# Allegro board 8880F5-0824_updates.brd (continued)
## Routing (per net, layer and track width the routed paths; a pad name or vN(x,y) marks a point on that pad's centre or on a via; arc(x,y) is an arc through that point) (continued)
; D103.B6 319.23,60.96 ; D103.B6 320.04,61.77 ; CSDPS229.B14 167.64,333.55 ; CSDPS229.B14 167.64,331.93 ; CSDPS229.B14 166.83,332.74 ; CSDPS229.B14 168.45,332.74 ; D103.B2 309.88,61.77 ; D103.B2 309.07,60.96 ; D103.B2 310.69,60.96 ; D103.B2 309.88,60.15 ; 320.04,70.41 D302.B6 ; D302.B6 320.75,71.12 ; D302.B6 320.04,71.83 ; D302.B6 319.33,71.12 ; D126.B9 33.02,79.55 ; D126.B9 33.02,77.93 ; D126.B9 33.83,78.74 ; D126.B9 32.21,78.74 ; D102.B3 312.42,79.55 ; D102.B3 312.42,77.93 ; D102.B3 313.23,78.74 ; D102.B3 311.61,78.74 ; CSDPS225.C11 248.92,331.01 ; CSDPS225.C11 248.92,329.39 ; CSDPS225.C11 248.11,330.2 ; CSDPS225.C11 249.73,330.2 ; D123.B9 254,59.23 ; D123.B9 253.19,58.42 ; D123.B9 254,57.61 ; D123.B9 254.81,58.42 ; 329.39,35.56 D104.A10 ; D104.A10 330.2,36.37 ; D104.A10 330.2,34.75 ; D104.A10 331.01,35.56 ; D131.A11 111.76,54.15 ; D131.A11 110.95,53.34 ; D131.A11 112.57,53.34 ; D131.A11 111.76,52.53 ; D112.B12 393.7,389.43 ; D112.B12 392.89,388.62 ; D112.B12 393.7,387.81 ; D112.B12 394.51,388.62 ; 393.7,326.85 D109.B12 ; D109.B12 394.51,327.66 ; D109.B12 392.89,327.66 ; D109.B12 393.7,328.47 ; 416.56,57.61 D107.B15 ; D107.B15 417.37,58.42 ; D107.B15 416.56,59.23 ; D107.B15 415.75,58.42 ; 340.36,55.07 D103.A14 ; D103.A14 340.36,56.69 ; D103.A14 341.17,55.88 ; D103.A14 339.55,55.88 ; D231.A5 190.5,376.73 ; D231.A5 189.69,375.92 ; D231.A5 191.31,375.92 ; D231.A5 190.5,375.11 ; 159.31,68.58 D318.B1 ; D318.B1 160.73,68.58 ; D318.B1 160.02,69.29 ; D318.B1 160.02,67.87 ; 259.08,83.11 D321.A11 ; D321.A11 258.37,83.82 ; D321.A11 259.79,83.82 ; D321.A11 259.08,84.53 ; D102.A15 343.71,73.66 ; D102.A15 342.09,73.66 ; D102.A15 342.9,72.85 ; D102.A15 342.9,74.47 ; D106.B10 404.67,81.28 ; D106.B10 403.86,80.47 ; D106.B10 403.05,81.28 ; D106.B10 403.86,82.09 ; SITE2.G4 331.33,241.81 ; SITE2.G4 331.33,240.85 ; SITE2.G4 331.81,241.33 ; SITE2.G4 330.85,241.33 ; 193.04,60.15 D119.B14 ; D119.B14 192.23,60.96 ; D119.B14 193.04,61.77 ; D119.B14 193.85,60.96 ; D106.B12 408.94,82.09 ; D106.B12 408.13,81.28 ; D106.B12 409.75,81.28 ; D106.B12 408.94,80.47 ; D103.B3 312.42,59.23 ; D103.B3 311.61,58.42 ; D103.B3 313.23,58.42 ; D103.B3 312.42,57.61 ; 418.39,66.04 D306.A16 ; D306.A16 419.1,65.33 ; D306.A16 419.1,66.75 ; D306.A16 419.81,66.04 ; SITE4.G5 332.81,181.33 ; SITE4.G5 331.85,181.33 ; SITE4.G5 332.33,181.81 ; SITE4.G5 332.33,180.85 ; D318.B12 188.67,71.12 ; D318.B12 187.25,71.12 ; D318.B12 187.96,70.41 ; D318.B12 187.96,71.83 ; 238.76,37.29 D124.B3 ; D124.B3 238.76,38.91 ; D124.B3 237.95,38.1 ; D124.B3 239.57,38.1 ; 410.67,375.92 D111.A5 ; D111.A5 411.48,375.11 ; D111.A5 411.48,376.73 ; D111.A5 412.29,375.92 ; D231.B9 181.15,370.84 ; D231.B9 180.34,370.03 ; D231.B9 180.34,371.65 ; D231.B9 179.53,370.84 ; D102.A5 318.31,73.66 ; D102.A5 317.5,74.47 ; D102.A5 317.5,72.85 ; D102.A5 316.69,73.66 ; 27.94,37.29 D128.B7 ; D128.B7 27.94,38.91 ; D128.B7 27.13,38.1 ; D128.B7 28.75,38.1 ; 194.77,78.74 D118.B15 ; D118.B15 195.58,79.55 ; D118.B15 196.39,78.74 ; D118.B15 195.58,77.93 ; D118.A5 170.99,73.66 ; D118.A5 169.37,73.66 ; D118.A5 170.18,72.85 ; D118.A5 170.18,74.47 ; D431.A15 165.1,386.89 ; D431.A15 165.91,386.08 ; D431.A15 164.29,386.08 ; D431.A15 165.1,385.27 ; D123.A4 242.11,55.88 ; D123.A4 241.3,56.69 ; D123.A4 240.49,55.88 ; D123.A4 241.3,55.07 ; D102.B16 346.25,81.28 ; D102.B16 345.44,80.47 ; D102.B16 344.63,81.28 ; 398.78,75.39 D106.A8 ; D106.A8 397.97,76.2 ; D106.A8 399.59,76.2 ; D106.A8 398.78,77.01 ; U1.4 97.04,206.48 ; U1.4 96.1,205.54 ; U1.4 97.04,204.6 ; U1.4 97.98,205.54 ; 256.54,331.93 CSDPS225.B8 ; CSDPS225.B8 256.54,333.55 ; CSDPS225.B8 255.73,332.74 ; CSDPS225.B8 257.35,332.74 ; 344.63,55.88 D103.A16 ; D103.A16 345.44,55.07 ; D103.A16 345.44,56.69 ; D103.A16 346.25,55.88 ; D116.B3 343.71,391.16 ; D116.B3 342.09,391.16 ; D116.B3 342.9,391.97 ; D116.B3 342.9,390.35 ; D130.B2 88.9,82.09 ; D130.B2 89.71,81.28 ; D130.B2 88.09,81.28 ; D130.B2 88.9,80.47 ; D132.B9 106.68,38.91 ; D132.B9 106.68,37.29 ; D132.B9 105.87,38.1 ; D132.B9 107.49,38.1 ; 195.58,329.39 CSDPS229.C3 ; CSDPS229.C3 196.39,330.2 ; CSDPS229.C3 194.77,330.2 ; CSDPS229.C3 195.58,331.01 ; D130.B5 96.52,79.55 ; D130.B5 95.71,78.74 ; D130.B5 96.52,77.93 ; D130.B5 97.33,78.74 ; D122.A9 254,74.47 ; D122.A9 253.19,73.66 ; D122.A9 254.81,73.66 ; D122.A9 254,72.85 ; 395.43,330.2 D109.B11 ; D109.B11 396.24,329.39 ; D109.B11 396.24,331.01 ; D109.B11 397.05,330.2 ; D122.A5 244.65,73.66 ; D122.A5 243.03,73.66 ; D122.A5 243.84,74.47 ; D122.A5 243.84,72.85 ; D116.B8 330.2,389.43 ; D116.B8 330.2,387.81 ; D116.B8 329.39,388.62 ; D116.B8 331.01,388.62 ; D113.A11 323.39,335.28 ; D113.A11 322.58,334.47 ; D113.A11 321.77,335.28 ; D113.A11 322.58,336.09 ; 116.03,78.74 D130.B13 ; D130.B13 116.84,79.55 ; D130.B13 116.84,77.93 ; D130.B13 117.65,78.74 ; 167.64,90.73 D317.B4 ; D317.B4 168.35,91.44 ; D317.B4 166.93,91.44 ; D317.B4 167.64,92.15 ; D132.A15 122.73,33.02 ; D132.A15 121.92,33.83 ; D132.A15 121.92,32.21 ; D132.A15 121.11,33.02 ; 42.37,93.98 D125.A13 ; D125.A13 43.99,93.98 ; D125.A13 43.18,94.79 ; D125.A13 43.18,93.17 ; D113.B11 322.58,331.01 ; D113.B11 322.58,329.39 ; D113.B11 321.77,330.2 ; D113.B11 323.39,330.2 ; 418.29,388.62 D112.B2 ; D112.B2 419.1,387.81 ; D112.B2 419.1,389.43 ; D112.B2 419.91,388.62 ; 43.18,77.93 D126.B13 ; D126.B13 43.99,78.74 ; D126.B13 43.18,79.55 ; D126.B13 42.37,78.74 ; 182.88,39.83 D120.B10 ; D120.B10 183.69,40.64 ; D120.B10 182.88,41.45 ; D120.B10 182.07,40.64 ; D322.B4 241.3,71.83 ; D322.B4 241.3,70.41 ; D322.B4 240.59,71.12 ; D322.B4 242.01,71.12 ; D131.A8 104.95,55.88 ; D131.A8 103.33,55.88 ; D131.A8 104.14,56.69 ; D131.A8 104.14,55.07 ; D318.A9 181.05,63.5 ; D318.A9 180.34,62.79 ; D318.A9 180.34,64.21 ; D318.A9 179.63,63.5 ; 245.67,71.12 D322.B6 ; D322.B6 246.38,71.83 ; D322.B6 246.38,70.41 ; D322.B6 247.09,71.12 ; D128.A14 45.72,36.37 ; D128.A14 45.72,34.75 ; D128.A14 46.53,35.56 ; D128.A14 44.91,35.56 ; 333.33,247.45 SITE2.G12 ; SITE2.G12 333.81,247.93 ; SITE2.G12 332.85,247.93 ; SITE2.G12 333.33,248.41 ; D305.A12 409.65,86.36 ; D305.A12 408.94,87.07 ; D305.A12 408.23,86.36 ; D305.A12 408.94,85.65 ; 24.59,81.28 D126.B6 ; D126.B6 26.21,81.28 ; D126.B6 25.4,82.09 ; D126.B6 25.4,80.47 ; D107.A5 391.97,53.34 ; D107.A5 391.16,52.53 ; D107.A5 391.16,54.15 ; D107.A5 390.35,53.34 ; D431.B15 165.91,381 ; D431.B15 165.1,381.81 ; D431.B15 164.29,381 ; D431.B15 165.1,380.19 ; D122.B15 269.24,79.55 ; D122.B15 270.05,78.74 ; D122.B15 269.24,77.93 ; D122.B15 268.43,78.74 ; 410.67,73.66 D106.A13 ; D106.A13 411.48,74.47 ; D106.A13 412.29,73.66 ; D106.A13 411.48,72.85 ; DPS8.C11 176.07,410.21 ; DPS8.C11 174.45,410.21 ; DPS8.C11 175.26,411.02 ; DPS8.C11 175.26,409.4 ; D106.B1 381,79.55 ; D106.B1 381,77.93 ; D106.B1 381.81,78.74 ; D106.B1 380.19,78.74 ; D127.B14 45.72,61.77 ; D127.B14 44.91,60.96 ; D127.B14 46.53,60.96 ; D127.B14 45.72,60.15 ; 197.31,373.38 D231.A2 ; D231.A2 198.12,374.19 ; D231.A2 198.12,372.57 ; D231.A2 198.93,373.38 ; D126.A8 30.48,77.01 ; D126.A8 30.48,75.39 ; D126.A8 31.29,76.2 ; D126.A8 29.67,76.2 ; D317.A8 178.51,86.36 ; D317.A8 177.8,87.07 ; D317.A8 177.8,85.65 ; D317.A8 177.09,86.36 ; D306.B8 398.78,71.83 ; D306.B8 398.78,70.41 ; D306.B8 398.07,71.12 ; D306.B8 399.49,71.12 ; 172.72,367.49 D231.B12 ; D231.B12 171.91,368.3 ; D231.B12 172.72,369.11 ; D231.B12 173.53,368.3 ; 335.28,352.25 D114.A6 ; D114.A6 335.28,353.87 ; D114.A6 336.09,353.06 ; D114.A6 334.47,353.06 ; D322.A16 271.78,66.75 ; D322.A16 272.49,66.04 ; D322.A16 271.78,65.33 ; D322.A16 271.07,66.04 ; D111.A9 401.32,376.73 ; D111.A9 401.32,375.11 ; D111.A9 400.51,375.92 ; D111.A9 402.13,375.92 ; D126.A3 17.78,74.47 ; D126.A3 18.59,73.66 ; D126.A3 17.78,72.85 ; D126.A3 16.97,73.66 ; 381,88.19 D305.B1 ; D305.B1 381,89.61 ; D305.B1 381.71,88.9 ; D305.B1 380.29,88.9 ; 388.62,331.93 D109.A14 ; D109.A14 387.81,332.74 ; D109.A14 389.43,332.74 ; D109.A14 388.62,333.55 ; 39.83,60.96 D127.B12 ; D127.B12 40.64,61.77 ; D127.B12 41.45,60.96 ; D127.B12 40.64,60.15 ; 103.33,96.52 D129.A8 ; D129.A8 104.95,96.52 ; D129.A8 104.14,95.71 ; D129.A8 104.14,97.33 ; 20.32,75.39 D126.A4 ; D126.A4 19.51,76.2 ; D126.A4 21.13,76.2 ; D126.A4 20.32,77.01 ; 172.01,91.44 D317.B6 ; D317.B6 173.43,91.44 ; D317.B6 172.72,90.73 ; D317.B6 172.72,92.15 ; DPS3.A05 244.65,13.97 ; DPS3.A05 243.84,13.16 ; DPS3.A05 243.84,14.78 ; DPS3.A05 243.03,13.97 ; D306.B11 406.4,69.29 ; D306.B11 407.11,68.58 ; D306.B11 405.69,68.58 ; D306.B11 406.4,67.87 ; D109.A12 394.51,332.74 ; D109.A12 392.89,332.74 ; D109.A12 393.7,331.93 ; D109.A12 393.7,333.55 ; 160.02,57.61 D119.B1 ; D119.B1 159.21,58.42 ; D119.B1 160.02,59.23 ; D119.B1 160.83,58.42 ; D130.A13 117.65,73.66 ; D130.A13 116.03,73.66 ; D130.A13 116.84,74.47 ; D130.A13 116.84,72.85 ; D321.B13 264.16,89.61 ; D321.B13 264.87,88.9 ; D321.B13 264.16,88.19 ; D321.B13 263.45,88.9 ; 248.92,57.61 D123.B7 ; D123.B7 249.73,58.42 ; D123.B7 248.11,58.42 ; D123.B7 248.92,59.23 ; 390.45,68.58 D306.B5 ; D306.B5 391.87,68.58 ; D306.B5 391.16,67.87 ; D306.B5 391.16,69.29 ; 347.98,409.4 DPS2.C01 ; DPS2.C01 347.17,410.21 ; DPS2.C01 348.79,410.21 ; DPS2.C01 347.98,411.02 ; D128.B11 38.91,38.1 ; D128.B11 38.1,38.91 ; D128.B11 38.1,37.29 ; D128.B11 37.29,38.1 ; 406.4,13.16 DPS1.A11 ; DPS1.A11 407.21,13.97 ; DPS1.A11 406.4,14.78 ; DPS1.A11 405.59,13.97 ; 96.52,37.29 D132.B5 ; D132.B5 96.52,38.91 ; D132.B5 95.71,38.1 ; D132.B5 97.33,38.1 ; D132.A7 101.6,33.83 ; D132.A7 102.41,33.02 ; D132.A7 100.79,33.02 ; D132.A7 101.6,32.21 ; D118.B11 185.42,79.55 ; D118.B11 184.61,78.74 ; D118.B11 186.23,78.74 ; D118.B11 185.42,77.93 ; D125.B14 45.72,102.41 ; D125.B14 45.72,100.79 ; D125.B14 44.91,101.6 ; D125.B14 46.53,101.6 ; 35.56,39.83 D128.B10 ; D128.B10 34.75,40.64 ; D128.B10 35.56,41.45 ; D128.B10 36.37,40.64 ; 118.57,96.52 D129.A14 ; D129.A14 120.19,96.52 ; D129.A14 119.38,97.33 ; D129.A14 119.38,95.71 ; 414.02,331.93 D109.A4 ; D109.A4 414.02,333.55 ; D109.A4 414.83,332.74 ; D109.A4 413.21,332.74 ; D306.A7 396.24,64.21 ; D306.A7 396.95,63.5 ; D306.A7 395.53,63.5 ; 160.02,83.11 D317.A1 ; D317.A1 159.31,83.82 ; D317.A1 160.02,84.53 ; D317.A1 160.73,83.82 ; 177.8,39.83 D120.B8 ; D120.B8 176.99,40.64 ; D120.B8 178.61,40.64 ; D120.B8 177.8,41.45 ; D431.B3 196.39,381 ; D431.B3 194.77,381 ; D431.B3 195.58,380.19 ; D431.B3 195.58,381.81 ; 49.99,81.28 D126.B16 ; D126.B16 51.61,81.28 ; D126.B16 50.8,82.09 ; D126.B16 50.8,80.47 ; D116.B13 318.31,391.16 ; D116.B13 316.69,391.16 ; D116.B13 317.5,391.97 ; D116.B13 317.5,390.35 ; 12.7,77.93 D126.B1 ; D126.B1 12.7,79.55 ; D126.B1 13.51,78.74 ; D126.B1 11.89,78.74 ; 241.3,65.33 D322.A4 ; D322.A4 242.01,66.04 ; D322.A4 240.59,66.04 ; D322.A4 241.3,66.75 ; CSDPS425.B10 252.27,342.9 ; CSDPS425.B10 251.46,343.71 ; CSDPS425.B10 251.46,342.09 ; CSDPS425.B10 250.65,342.9 ; D301.A10 330.2,87.07 ; D301.A10 330.2,85.65 ; D301.A10 329.49,86.36 ; D301.A10 330.91,86.36 ; CSDPS229.B4 193.04,333.55 ; CSDPS229.B4 193.04,331.93 ; CSDPS229.B4 192.23,332.74 ; CSDPS229.B4 193.85,332.74 ; 403.86,387.81 D112.B8 ; D112.B8 404.67,388.62 ; D112.B8 403.86,389.43 ; D112.B8 403.05,388.62 ; 27.13,33.02 D128.A7 ; D128.A7 28.75,33.02 ; D128.A7 27.94,32.21 ; D128.A7 27.94,33.83 ; 98.25,81.28 D130.B6 ; D130.B6 99.06,82.09 ; D130.B6 99.87,81.28 ; D130.B6 99.06,80.47 ; 245.57,60.96 D123.B6 ; D123.B6 246.38,61.77 ; D123.B6 247.19,60.96 ; D123.B6 246.38,60.15 ; 174.45,53.34 D119.A7 ; D119.A7 175.26,54.15 ; D119.A7 175.26,52.53 ; D119.A7 176.07,53.34 ; D318.A10 183.59,66.04 ; D318.A10 182.17,66.04 ; D318.A10 182.88,66.75 ; D318.A10 182.88,65.33 ; D113.A14 314.96,333.55 ; D113.A14 314.96,331.93 ; D113.A14 314.15,332.74 ; D113.A14 315.77,332.74 ; 327.66,72.85 D102.A9 ; D102.A9 326.85,73.66 ; D102.A9 328.47,73.66 ; D102.A9 327.66,74.47 ; 337.82,334.47 D113.A5 ; D113.A5 337.01,335.28 ; D113.A5 338.63,335.28 ; D113.A5 337.82,336.09 ; 311.61,350.52 D114.B15 ; D114.B15 312.42,349.71 ; D114.B15 313.23,350.52 ; D114.B15 312.42,351.33 ; D112.B5 412.29,391.16 ; D112.B5 410.67,391.16 ; D112.B5 411.48,390.35 ; D112.B5 411.48,391.97 ; D110.A14 388.62,353.87 ; D110.A14 387.81,353.06 ; D110.A14 389.43,353.06 ; D110.A14 388.62,352.25 ; 265.99,91.44 D321.B14 ; D321.B14 267.41,91.44 ; D321.B14 266.7,92.15 ; D321.B14 266.7,90.73 ; 166.83,40.64 D120.B4 ; D120.B4 167.64,41.45 ; D120.B4 168.45,40.64 ; D120.B4 167.64,39.83 ; SITE2.G9 330.33,248.41 ; SITE2.G9 330.81,247.93 ; SITE2.G9 329.85,247.93 ; SITE2.G9 330.33,247.45 ; D103.A15 343.71,53.34 ; D103.A15 342.09,53.34 ; D103.A15 342.9,52.53 ; D103.A15 342.9,54.15 ; D127.A11 38.1,54.15 ; D127.A11 38.91,53.34 ; D127.A11 38.1,52.53 ; D127.A11 37.29,53.34 ; D110.B3 416.56,351.33 ; D110.B3 417.37,350.52 ; D110.B3 416.56,349.71 ; D110.B3 415.75,350.52 ; 249.85,187.93 SITE3.G9 ; SITE3.G9 250.81,187.93 ; SITE3.G9 250.33,187.45 ; SITE3.G9 250.33,188.41 ; 171.91,373.38 D231.A12 ; D231.A12 173.53,373.38 ; D231.A12 172.72,374.19 ; D231.A12 172.72,372.57 ; 240.49,60.96 D123.B4 ; D123.B4 241.3,60.15 ; D123.B4 242.11,60.96 ; D123.B4 241.3,61.77 ; D431.A8 182.88,384.35 ; D431.A8 182.88,382.73 ; D431.A8 182.07,383.54 ; D431.A8 183.69,383.54 ; D111.A11 396.24,376.73 ; D111.A11 396.24,375.11 ; D111.A11 395.43,375.92 ; D111.A11 397.05,375.92 ; DPS8.A01 200.66,416.1 ; DPS8.A01 201.47,415.29 ; DPS8.A01 199.85,415.29 ; DPS8.A01 200.66,414.48 ; D124.B4 242.11,40.64 ; D124.B4 241.3,41.45 ; D124.B4 240.49,40.64 ; D124.B4 241.3,39.83 ; D132.A4 93.98,36.37 ; D132.A4 93.98,34.75 ; D132.A4 94.79,35.56 ; D132.A4 93.17,35.56 ; D231.A16 162.56,374.19 ; D231.A16 163.37,373.38 ; D231.A16 162.56,372.57 ; D231.A16 161.75,373.38 ; 481.55,171.51 UNK4U2.4 ; UNK4U2.4 483.43,171.51 ; UNK4U2.4 482.49,172.45 ; UNK4U2.4 482.49,170.56 ; D128.B9 33.02,38.91 ; D128.B9 32.21,38.1 ; D128.B9 33.02,37.29 ; D128.B9 33.83,38.1 ; 320.04,75.39 D102.A6 ; D102.A6 319.23,76.2 ; D102.A6 320.04,77.01 ; D102.A6 320.85,76.2 ; 189.69,58.42 D119.B13 ; D119.B13 190.5,57.61 ; D119.B13 191.31,58.42 ; D119.B13 190.5,59.23 ; D122.A2 236.22,77.01 ; D122.A2 237.03,76.2 ; D122.A2 235.41,76.2 ; D122.A2 236.22,75.39 ; 332.74,395.43 D116.A7 ; D116.A7 332.74,397.05 ; D116.A7 331.93,396.24 ; D116.A7 333.55,396.24 ; D116.A5 337.82,397.05 ; D116.A5 337.82,395.43 ; D116.A5 338.63,396.24 ; D116.A5 337.01,396.24 ; D107.B11 407.21,58.42 ; D107.B11 406.4,57.61 ; D107.B11 406.4,59.23 ; D107.B11 405.59,58.42 ; D322.A9 254.71,63.5 ; D322.A9 253.29,63.5 ; D322.A9 254,62.79 ; D322.A9 254,64.21 ; 408.94,75.39 D106.A12 ; D106.A12 409.75,76.2 ; D106.A12 408.13,76.2 ; D106.A12 408.94,77.01 ; 340.36,352.25 D114.A4 ; D114.A4 339.55,353.06 ; D114.A4 340.36,353.87 ; D114.A4 341.17,353.06 ; CSDPS429.C11 175.26,341.17 ; CSDPS429.C11 174.45,340.36 ; CSDPS429.C11 176.07,340.36 ; CSDPS429.C11 175.26,339.55 ; D106.B3 386.08,79.55 ; D106.B3 386.89,78.74 ; D106.B3 385.27,78.74 ; D106.B3 386.08,77.93 ; 270.97,35.56 D124.A16 ; D124.A16 271.78,36.37 ; D124.A16 271.78,34.75 ; D124.A16 272.59,35.56 ; 193.04,367.49 D231.B4 ; D231.B4 193.04,369.11 ; D231.B4 192.23,368.3 ; D231.B4 193.85,368.3 ; 85.55,58.42 D131.B1 ; D131.B1 87.17,58.42 ; D131.B1 86.36,57.61 ; D131.B1 86.36,59.23 ; 337.82,414.48 DPS2.A05 ; DPS2.A05 337.01,415.29 ; DPS2.A05 338.63,415.29 ; DPS2.A05 337.82,416.1 ; D318.A12 188.67,66.04 ; D318.A12 187.25,66.04 ; D318.A12 187.96,66.75 ; D318.A12 187.96,65.33 ; 176.99,332.74 CSDPS229.B10 ; CSDPS229.B10 178.61,332.74 ; CSDPS229.B10 177.8,331.93 ; CSDPS229.B10 177.8,333.55 ; 322.58,52.53 D103.A7 ; D103.A7 321.77,53.34 ; D103.A7 323.39,53.34 ; D103.A7 322.58,54.15 ; 88.09,60.96 D131.B2 ; D131.B2 89.71,60.96 ; D131.B2 88.9,61.77 ; D131.B2 88.9,60.15 ; D305.B8 398.78,92.15 ; D305.B8 398.78,90.73 ; D305.B8 399.49,91.44 ; D305.B8 398.07,91.44 ; 319.23,347.98 D114.B12 ; D114.B12 320.85,347.98 ; D114.B12 320.04,347.17 ; D114.B12 320.04,348.79 ; 380.19,53.34 D107.A1 ; D107.A1 381,52.53 ; D107.A1 381.81,53.34 ; D107.A1 381,54.15 ; 197.31,383.54 D431.A2 ; D431.A2 198.12,384.35 ; D431.A2 198.93,383.54 ; D431.A2 198.12,382.73 ; 408.94,367.49 D111.B6 ; D111.B6 408.94,369.11 ; D111.B6 409.75,368.3 ; D111.B6 408.13,368.3 ; 421.64,395.43 D112.A1 ; D112.A1 421.64,397.05 ; D112.A1 420.83,396.24 ; D112.A1 422.45,396.24 ; 390.45,63.5 D306.A5 ; D306.A5 391.87,63.5 ; D306.A5 391.16,64.21 ; D301.A4 314.96,87.07 ; D301.A4 314.96,85.65 ; D301.A4 314.25,86.36 ; D301.A4 315.67,86.36 ; D302.A5 317.5,64.21 ; D302.A5 316.79,63.5 ; D302.A5 317.5,62.79 ; D302.A5 318.21,63.5 ; D321.B15 269.24,89.61 ; D321.B15 269.95,88.9 ; D321.B15 268.53,88.9 ; D321.B15 269.24,88.19 ; CSDPS425.B8 256.54,343.71 ; CSDPS425.B8 257.35,342.9 ; CSDPS425.B8 256.54,342.09 ; CSDPS425.B8 255.73,342.9 ; D116.A6 336.09,393.7 ; D116.A6 335.28,392.89 ; D116.A6 335.28,394.51 ; D116.A6 334.47,393.7 ; D431.A6 187.96,384.35 ; D431.A6 188.77,383.54 ; D431.A6 187.15,383.54 ; D431.A6 187.96,382.73 ; 400.61,63.5 D306.A9 ; D306.A9 401.32,64.21 ; D306.A9 402.03,63.5 ; D306.A9 401.32,62.79 ; 258.27,73.66 D122.A11 ; D122.A11 259.08,72.85 ; D122.A11 259.08,74.47 ; D122.A11 259.89,73.66 ; D116.A3 342.9,397.05 ; D116.A3 343.71,396.24 ; D116.A3 342.09,396.24 ; D116.A3 342.9,395.43 ; D321.A5 243.84,84.53 ; D321.A5 243.13,83.82 ; D321.A5 244.55,83.82 ; D321.A5 243.84,83.11 ; D322.B2 236.22,71.83 ; D322.B2 235.51,71.12 ; D322.B2 236.93,71.12 ; D322.B2 236.22,70.41 ; SITE2.G15 331.91,242.83 ; SITE2.G15 331.43,242.35 ; SITE2.G15 330.95,242.83 ; SITE2.G15 331.43,243.31 ; D322.A6 246.38,66.75 ; D322.A6 245.67,66.04 ; D322.A6 246.38,65.33 ; D322.A6 247.09,66.04 ; D122.A13 264.97,73.66 ; D122.A13 263.35,73.66 ; D122.A13 264.16,74.47 ; D122.A13 264.16,72.85 ; 22.86,77.93 D126.B5 ; D126.B5 22.05,78.74 ; D126.B5 22.86,79.55 ; D126.B5 23.67,78.74 ; D115.A14 314.96,374.19 ; D115.A14 315.77,373.38 ; D115.A14 314.15,373.38 ; D115.A14 314.96,372.57 ; D317.A15 196.29,83.82 ; D317.A15 195.58,84.53 ; D317.A15 195.58,83.11 ; D317.A15 194.87,83.82 ; 11.89,73.66 D126.A1 ; D126.A1 12.7,74.47 ; D126.A1 12.7,72.85 ; D126.A1 13.51,73.66 ; 260.81,76.2 D122.A12 ; D122.A12 262.43,76.2 ; D122.A12 261.62,75.39 ; D122.A12 261.62,77.01 ; 258.27,33.02 D124.A11 ; D124.A11 259.08,32.21 ; D124.A11 259.89,33.02 ; D124.A11 259.08,33.83 ; D302.A4 315.67,66.04 ; D302.A4 314.25,66.04 ; D302.A4 314.96,65.33 ; D302.A4 314.96,66.75 ; D125.B16 50.8,102.41 ; D125.B16 50.8,100.79 ; D125.B16 51.61,101.6 ; D125.B16 49.99,101.6 ; D132.B10 110.03,40.64 ; D132.B10 109.22,39.83 ; D132.B10 109.22,41.45 ; D132.B10 108.41,40.64 ; 388.62,90.73 D305.B4 ; D305.B4 389.33,91.44 ; D305.B4 388.62,92.15 ; D305.B4 387.91,91.44 ; D107.B14 414.02,61.77 ; D107.B14 414.83,60.96 ; D107.B14 414.02,60.15 ; D107.B14 413.21,60.96 ; 258.27,78.74 D122.B11 ; D122.B11 259.89,78.74 ; D122.B11 259.08,77.93 ; D122.B11 259.08,79.55 ; 311.71,68.58 D302.B3 ; D302.B3 312.42,69.29 ; D302.B3 312.42,67.87 ; D302.B3 313.13,68.58 ; D118.A16 198.93,76.2 ; D118.A16 198.12,77.01 ; D118.A16 197.31,76.2 ; D118.A16 198.12,75.39 ; 109.22,55.07 D131.A10 ; D131.A10 110.03,55.88 ; D131.A10 109.22,56.69 ; D131.A10 108.41,55.88 ; 108.41,76.2 D130.A10 ; D130.A10 109.22,77.01 ; D130.A10 109.22,75.39 ; D130.A10 110.03,76.2 ; 256.54,65.33 D322.A10 ; D322.A10 257.25,66.04 ; D322.A10 255.83,66.04 ; D322.A10 256.54,66.75 ; D128.A6 26.21,35.56 ; D128.A6 25.4,34.75 ; D128.A6 24.59,35.56 ; D128.A6 25.4,36.37 ; D104.B6 320.04,41.45 ; D104.B6 319.23,40.64 ; D104.B6 320.85,40.64 ; D104.B6 320.04,39.83 ; D127.B4 20.32,61.77 ; D127.B4 21.13,60.96 ; D127.B4 20.32,60.15 ; D127.B4 19.51,60.96 ; D113.A2 346.25,332.74 ; D113.A2 345.44,331.93 ; D113.A2 344.63,332.74 ; D113.A2 345.44,333.55 ; 35.56,100.79 D125.B10 ; D125.B10 34.75,101.6 ; D125.B10 35.56,102.41 ; D125.B10 36.37,101.6 ; CSDPS229.B12 172.72,333.55 ; CSDPS229.B12 172.72,331.93 ; CSDPS229.B12 173.53,332.74 ; CSDPS229.B12 171.91,332.74 ; D110.B4 414.83,347.98 ; D110.B4 414.02,348.79 ; D110.B4 413.21,347.98 ; D110.B4 414.02,347.17 ; SITE1.G16 253.11,242.83 ; SITE1.G16 252.15,242.83 ; SITE1.G16 252.63,242.35 ; SITE1.G16 252.63,243.31 ; 325.12,80.47 D102.B8 ; D102.B8 325.12,82.09 ; D102.B8 325.93,81.28 ; D102.B8 324.31,81.28 ; D126.A5 22.86,74.47 ; D126.A5 22.05,73.66 ; D126.A5 22.86,72.85 ; D126.A5 23.67,73.66 ; D127.A9 33.83,53.34 ; D127.A9 33.02,54.15 ; D127.A9 33.02,52.53 ; D127.A9 32.21,53.34 ; 382.73,393.7 D112.A16 ; D112.A16 383.54,394.51 ; D112.A16 383.54,392.89 ; D112.A16 384.35,393.7 ; D113.B10 325.93,327.66 ; D113.B10 325.12,328.47 ; D113.B10 324.31,327.66 ; D113.B10 325.12,326.85 ; D302.B13 337.82,69.29 ; D302.B13 338.53,68.58 ; D302.B13 337.11,68.58 ; D302.B13 337.82,67.87 ; 171.91,60.96 D119.B6 ; D119.B6 172.72,61.77 ; D119.B6 173.53,60.96 ; D119.B6 172.72,60.15 ; D114.A5 338.63,355.6 ; D114.A5 337.82,354.79 ; D114.A5 337.01,355.6 ; D114.A5 337.82,356.41 ; SITE2.G14 330.71,242.83 ; SITE2.G14 330.23,243.31 ; SITE2.G14 330.23,242.35 ; SITE2.G14 329.75,242.83 ; 274.32,339.55 CSDPS425.C1 ; CSDPS425.C1 274.32,341.17 ; CSDPS425.C1 273.51,340.36 ; CSDPS425.C1 275.13,340.36 ; 237.95,78.74 D122.B3 ; D122.B3 238.76,77.93 ; D122.B3 239.57,78.74 ; D122.B3 238.76,79.55 ; 199.85,386.08 D431.A1 ; D431.A1 200.66,385.27 ; D431.A1 201.47,386.08 ; D431.A1 200.66,386.89 ; 383.54,367.49 D111.B16 ; D111.B16 382.73,368.3 ; D111.B16 383.54,369.11 ; D111.B16 384.35,368.3 ; D123.B8 252.27,60.96 ; D123.B8 251.46,60.15 ; D123.B8 250.65,60.96 ; D123.B8 251.46,61.77 ; D130.A8 104.14,77.01 ; D130.A8 104.95,76.2 ; D130.A8 103.33,76.2 ; D130.A8 104.14,75.39 ; D130.B12 115.11,81.28 ; D130.B12 114.3,80.47 ; D130.B12 113.49,81.28 ; D130.B12 114.3,82.09 ; D124.B6 246.38,41.45 ; D124.B6 246.38,39.83 ; D124.B6 247.19,40.64 ; D124.B6 245.57,40.64 ; D118.A9 180.34,74.47 ; D118.A9 181.15,73.66 ; D118.A9 180.34,72.85 ; D118.A9 179.53,73.66 ; 396.24,77.93 D106.B7 ; D106.B7 396.24,79.55 ; D106.B7 397.05,78.74 ; D106.B7 395.43,78.74 ; D115.A15 313.23,375.92 ; D115.A15 312.42,375.11 ; D115.A15 312.42,376.73 ; D115.A15 311.61,375.92 ; 246.38,75.39 D122.A6 ; D122.A6 246.38,77.01 ; D122.A6 247.19,76.2 ; D122.A6 245.57,76.2 ; 408.13,60.96 D107.B12 ; D107.B12 408.94,60.15 ; D107.B12 408.94,61.77 ; D107.B12 409.75,60.96 ; 261.62,65.33 D322.A12 ; D322.A12 261.62,66.75 ; D322.A12 262.33,66.04 ; D322.A12 260.91,66.04 ; 43.18,37.29 D128.B13 ; D128.B13 43.18,38.91 ; D128.B13 42.37,38.1 ; D128.B13 43.99,38.1 ; 96.52,93.17 D129.A5 ; D129.A5 95.71,93.98 ; D129.A5 97.33,93.98 ; D129.A5 96.52,94.79 ; 159.21,53.34 D119.A1 ; D119.A1 160.02,54.15 ; D119.A1 160.02,52.53 ; D119.A1 160.83,53.34 ; 29.67,55.88 D127.A8 ; D127.A8 30.48,55.07 ; D127.A8 31.29,55.88 ; D127.A8 30.48,56.69 ; D231.A17 160.02,376.73 ; D231.A17 160.83,375.92 ; D231.A17 159.21,375.92 ; D231.A17 160.02,375.11 ; D322.B14 267.41,71.12 ; D322.B14 266.7,71.83 ; D322.B14 265.99,71.12 ; D322.B14 266.7,70.41 ; D431.B2 198.93,378.46 ; D431.B2 198.12,377.65 ; D431.B2 197.31,378.46 ; D431.B2 198.12,379.27 ; D123.A7 249.73,53.34 ; D123.A7 248.11,53.34 ; D123.A7 248.92,54.15 ; D123.A7 248.92,52.53 ; 250.23,185.95 SITE3.G18 ; SITE3.G18 250.71,186.43 ; SITE3.G18 250.23,186.91 ; SITE3.G18 249.75,186.43 ; 327.66,88.19 D301.B9 ; D301.B9 328.37,88.9 ; D301.B9 327.66,89.61 ; D301.B9 326.95,88.9 ; D317.A10 182.88,87.07 ; D317.A10 183.59,86.36 ; D317.A10 182.17,86.36 ; D317.A10 182.88,85.65 ; 482.49,214 UNK2U2.4 ; UNK2U2.4 481.55,214.94 ; UNK2U2.4 483.43,214.94 ; UNK2U2.4 482.49,215.88 ; CSDPS429.C15 165.91,340.36 ; CSDPS429.C15 165.1,341.17 ; CSDPS429.C15 165.1,339.55 ; CSDPS429.C15 164.29,340.36 ; D108.A3 386.89,33.02 ; D108.A3 385.27,33.02 ; D108.A3 386.08,32.21 ; D108.A3 386.08,33.83 ; 410.77,63.5 D306.A13 ; D306.A13 412.19,63.5 ; D306.A13 411.48,64.21 ; D103.B15 342.9,59.23 ; D103.B15 343.71,58.42 ; D103.B15 342.9,57.61 ; D103.B15 342.09,58.42 ; 187.96,80.47 D118.B12 ; D118.B12 187.15,81.28 ; D118.B12 188.77,81.28 ; D118.B12 187.96,82.09 ; 269.24,13.16 DPS3.A15 ; DPS3.A15 270.05,13.97 ; DPS3.A15 269.24,14.78 ; DPS3.A15 268.43,13.97 ; 403.05,368.3 D111.B8 ; D111.B8 403.86,367.49 ; D111.B8 403.86,369.11 ; D111.B8 404.67,368.3 ; 167.64,367.49 D231.B14 ; D231.B14 166.83,368.3 ; D231.B14 168.45,368.3 ; D231.B14 167.64,369.11 ; SITE2.G20 332.63,246.91 ; SITE2.G20 332.15,246.43 ; SITE2.G20 332.63,245.95 ; SITE2.G20 333.11,246.43 ; 387.81,76.2 D106.A4 ; D106.A4 388.62,77.01 ; D106.A4 389.43,76.2 ; D106.A4 388.62,75.39 ; 161.85,91.44 D317.B2 ; D317.B2 162.56,92.15 ; D317.B2 162.56,90.73 ; D317.B2 163.27,91.44 ; 104.14,34.75 D132.A8 ; D132.A8 104.95,35.56 ; D132.A8 104.14,36.37 ; D132.A8 103.33,35.56 ; 187.96,75.39 D118.A12 ; D118.A12 187.96,77.01 ; D118.A12 188.77,76.2 ; D118.A12 187.15,76.2 ; 335.28,85.65 D301.A12 ; D301.A12 335.28,87.07 ; D301.A12 335.99,86.36 ; D301.A12 334.57,86.36 ; D129.B16 124.46,102.41 ; D129.B16 125.27,101.6 ; D129.B16 124.46,100.79 ; D129.B16 123.65,101.6 ; 395.53,68.58 D306.B7 ; D306.B7 396.24,69.29 ; D306.B7 396.24,67.87 ; D306.B7 396.95,68.58 ; 322.58,375.11 D115.A11 ; D115.A11 322.58,376.73 ; D115.A11 321.77,375.92 ; D115.A11 323.39,375.92 ; 96.52,98.25 D129.B5 ; D129.B5 95.71,99.06 ; D129.B5 97.33,99.06 ; D129.B5 96.52,99.87 ; D131.A15 122.73,53.34 ; D131.A15 121.92,52.53 ; D131.A15 121.11,53.34 ; D131.A15 121.92,54.15 ; 184.61,53.34 D119.A11 ; D119.A11 185.42,54.15 ; D119.A11 185.42,52.53 ; D119.A11 186.23,53.34 ; CSDPS229.C13 170.18,331.01 ; CSDPS229.C13 170.99,330.2 ; CSDPS229.C13 170.18,329.39 ; CSDPS229.C13 169.37,330.2 ; 406.4,349.71 D110.B7 ; D110.B7 406.4,351.33 ; D110.B7 407.21,350.52 ; D110.B7 405.59,350.52 ; D127.A13 43.18,54.15 ; D127.A13 43.18,52.53 ; D127.A13 43.99,53.34 ; D127.A13 42.37,53.34 ; D301.B1 307.34,89.61 ; D301.B1 307.34,88.19 ; D301.B1 306.63,88.9 ; D301.B1 308.05,88.9 ; D306.B4 389.33,71.12 ; D306.B4 387.91,71.12 ; D306.B4 388.62,70.41 ; 47.45,53.34 D127.A15 ; D127.A15 49.07,53.34 ; D127.A15 48.26,52.53 ; D127.A15 48.26,54.15 ; D132.A13 116.84,33.83 ; D132.A13 116.03,33.02 ; D132.A13 117.65,33.02 ; D132.A13 116.84,32.21 ; 344.63,388.62 D116.B2 ; D116.B2 345.44,389.43 ; D116.B2 345.44,387.81 ; D116.B2 346.25,388.62 ; 314.96,326.85 D113.B14 ; D113.B14 315.77,327.66 ; D113.B14 314.15,327.66 ; D113.B14 314.96,328.47 ; 306.53,33.02 D104.A1 ; D104.A1 307.34,32.21 ; D104.A1 308.15,33.02 ; D104.A1 307.34,33.83 ; 198.12,60.15 D119.B16 ; D119.B16 198.93,60.96 ; D119.B16 197.31,60.96 ; SITE2.G13 329.03,243.31 ; SITE2.G13 329.51,242.83 ; SITE2.G13 329.03,242.35 ; SITE2.G13 328.55,242.83 ; D122.A1 234.49,73.66 ; D122.A1 233.68,72.85 ; D122.A1 233.68,74.47 ; D122.A1 232.87,73.66 ; 391.16,83.11 D305.A5 ; D305.A5 391.87,83.82 ; D305.A5 391.16,84.53 ; D305.A5 390.45,83.82 ; 252.33,180.85 SITE3.G5 ; SITE3.G5 252.33,181.81 ; SITE3.G5 252.81,181.33 ; SITE3.G5 251.85,181.33 ; 263.45,83.82 D321.A13 ; D321.A13 264.16,84.53 ; D321.A13 264.87,83.82 ; D321.A13 264.16,83.11 ; D231.A7 185.42,376.73 ; D231.A7 184.61,375.92 ; D231.A7 186.23,375.92 ; D231.A7 185.42,375.11 ; 198.12,331.93 CSDPS229.B2 ; CSDPS229.B2 197.31,332.74 ; CSDPS229.B2 198.93,332.74 ; CSDPS229.B2 198.12,333.55 ; 110.95,93.98 D129.A11 ; D129.A11 111.76,93.17 ; D129.A11 112.57,93.98 ; D129.A11 111.76,94.79 ; 259.08,339.55 CSDPS425.C7 ; CSDPS425.C7 259.89,340.36 ; CSDPS425.C7 259.08,341.17 ; CSDPS425.C7 258.27,340.36 ; 252.63,182.35 SITE3.G16 ; SITE3.G16 253.11,182.83 ; SITE3.G16 252.15,182.83 ; SITE3.G16 252.63,183.31 ; 121.92,77.93 D130.B15 ; D130.B15 121.92,79.55 ; D130.B15 121.11,78.74 ; D130.B15 122.73,78.74 ; 182.88,90.73 D317.B10 ; D317.B10 183.59,91.44 ; D317.B10 182.17,91.44 ; D317.B10 182.88,92.15 ; D108.B14 414.83,40.64 ; D108.B14 414.02,39.83 ; D108.B14 414.02,41.45 ; D108.B14 413.21,40.64 ; 99.06,39.83 D132.B6 ; D132.B6 99.06,41.45 ; D132.B6 99.87,40.64 ; D132.B6 98.25,40.64 ; 232.97,88.9 D321.B1 ; D321.B1 233.68,89.61 ; D321.B1 234.39,88.9 ; D321.B1 233.68,88.19 ; 403.86,347.17 D110.B8 ; D110.B8 403.05,347.98 ; D110.B8 403.86,348.79 ; D110.B8 404.67,347.98 ; 159.21,381 D431.B17 ; D431.B17 160.02,381.81 ; D431.B17 160.02,380.19 ; D431.B17 160.83,381 ; D322.A8 251.46,66.75 ; D322.A8 250.75,66.04 ; D322.A8 252.17,66.04 ; D322.A8 251.46,65.33 ; 114.3,55.07 D131.A12 ; D131.A12 113.49,55.88 ; D131.A12 115.11,55.88 ; D131.A12 114.3,56.69 ; 306.53,58.42 D103.B1 ; D103.B1 308.15,58.42 ; D103.B1 307.34,59.23 ; D103.B1 307.34,57.61 ; D118.B2 163.37,81.28 ; D118.B2 162.56,82.09 ; D118.B2 162.56,80.47 ; D118.B2 161.75,81.28 ; D102.A7 323.39,73.66 ; D102.A7 322.58,74.47 ; D102.A7 322.58,72.85 ; D102.A7 321.77,73.66 ; D130.A16 124.46,77.01 ; D130.A16 123.65,76.2 ; D130.A16 124.46,75.39 ; D130.A16 125.27,76.2 ; D129.B6 99.87,101.6 ; D129.B6 99.06,100.79 ; D129.B6 99.06,102.41 ; D129.B6 98.25,101.6 ; 413.21,373.38 D111.A4 ; D111.A4 414.83,373.38 ; D111.A4 414.02,372.57 ; D111.A4 414.02,374.19 ; D129.B4 93.98,102.41 ; D129.B4 94.79,101.6 ; D129.B4 93.17,101.6 ; D129.B4 93.98,100.79 ; D115.A10 325.12,374.19 ; D115.A10 325.12,372.57 ; D115.A10 324.31,373.38 ; D115.A10 325.93,373.38 ; D106.B8 398.78,82.09 ; D106.B8 398.78,80.47 ; D106.B8 397.97,81.28 ; D106.B8 399.59,81.28 ; 175.26,88.19 D317.B7 ; D317.B7 175.97,88.9 ; D317.B7 174.55,88.9 ; D317.B7 175.26,89.61 ; 385.37,63.5 D306.A3 ; D306.A3 386.79,63.5 ; D306.A3 386.08,64.21 ; 248.11,78.74 D122.B7 ; D122.B7 248.92,79.55 ; D122.B7 248.92,77.93 ; D122.B7 249.73,78.74 ; 14.43,35.56 D128.A2 ; D128.A2 16.05,35.56 ; D128.A2 15.24,34.75 ; D128.A2 15.24,36.37 ; D123.A6 246.38,56.69 ; D123.A6 247.19,55.88 ; D123.A6 245.57,55.88 ; 160.02,88.19 D317.B1 ; D317.B1 160.73,88.9 ; D317.B1 159.31,88.9 ; D317.B1 160.02,89.61 ; 243.03,78.74 D122.B5 ; D122.B5 244.65,78.74 ; D122.B5 243.84,79.55 ; D122.B5 243.84,77.93 ; 504.95,202.51 S2_I2C.4 ; S2_I2C.4 505.89,203.45 ; S2_I2C.4 504.01,203.45 ; S2_I2C.4 504.95,204.39 ; D318.B5 170.18,69.29 ; D318.B5 170.89,68.58 ; D318.B5 169.47,68.58 ; D318.B5 170.18,67.87 ; D125.B3 17.78,99.87 ; D125.B3 18.59,99.06 ; D125.B3 17.78,98.25 ; D125.B3 16.97,99.06 ; D131.A5 97.33,53.34 ; D131.A5 95.71,53.34 ; D131.A5 96.52,54.15 ; D131.A5 96.52,52.53 ; D431.A7 186.23,386.08 ; D431.A7 184.61,386.08 ; D431.A7 185.42,385.27 ; D431.A7 185.42,386.89 ; 121.11,93.98 D129.A15 ; D129.A15 121.92,93.17 ; D129.A15 121.92,94.79 ; D129.A15 122.73,93.98 ; 331.93,375.92 D115.A7 ; D115.A7 332.74,375.11 ; D115.A7 332.74,376.73 ; D115.A7 333.55,375.92 ; 403.05,393.7 D112.A8 ; D112.A8 403.86,392.89 ; D112.A8 404.67,393.7 ; D112.A8 403.86,394.51 ; 199.85,330.2 CSDPS229.C1 ; CSDPS229.C1 200.66,329.39 ; CSDPS229.C1 201.47,330.2 ; CSDPS229.C1 200.66,331.01 ; 103.33,60.96 D131.B8 ; D131.B8 104.95,60.96 ; D131.B8 104.14,60.15 ; D131.B8 104.14,61.77 ; 269.24,67.87 D322.B15 ; D322.B15 269.95,68.58 ; D322.B15 268.53,68.58 ; D322.B15 269.24,69.29 ; D127.A5 23.67,53.34 ; D127.A5 22.05,53.34 ; D127.A5 22.86,52.53 ; D127.A5 22.86,54.15 ; 325.12,387.81 D116.B10 ; D116.B10 325.12,389.43 ; D116.B10 324.31,388.62 ; D116.B10 325.93,388.62 ; D108.A15 416.56,33.83 ; D108.A15 417.37,33.02 ; D108.A15 415.75,33.02 ; D108.A15 416.56,32.21 ; 22.86,37.29 D128.B5 ; D128.B5 22.05,38.1 ; D128.B5 23.67,38.1 ; D128.B5 22.86,38.91 ; D321.B10 257.25,91.44 ; D321.B10 256.54,92.15 ; D321.B10 256.54,90.73 ; D321.B10 255.83,91.44 ; D231.B10 178.61,368.3 ; D231.B10 177.8,369.11 ; D231.B10 177.8,367.49 ; D231.B10 176.99,368.3 ; D322.B1 233.68,69.29 ; D322.B1 234.39,68.58 ; D322.B1 232.97,68.58 ; D322.B1 233.68,67.87 ; 14.43,96.52 D125.A2 ; D125.A2 15.24,97.33 ; D125.A2 16.05,96.52 ; D125.A2 15.24,95.71 ; D120.B11 185.42,38.91 ; D120.B11 184.61,38.1 ; D120.B11 186.23,38.1 ; D120.B11 185.42,37.29 ; D113.A3 343.71,335.28 ; D113.A3 342.09,335.28 ; D113.A3 342.9,336.09 ; D113.A3 342.9,334.47 ; 415.75,13.97 DPS1.A15 ; DPS1.A15 416.56,14.78 ; DPS1.A15 417.37,13.97 ; DPS1.A15 416.56,13.16 ; 401.32,67.87 D306.B9 ; D306.B9 401.32,69.29 ; D306.B9 400.61,68.58 ; D306.B9 402.03,68.58 ; D431.B16 162.56,379.27 ; D431.B16 163.37,378.46 ; D431.B16 162.56,377.65 ; D431.B16 161.75,378.46 ; D120.B5 170.18,38.91 ; D120.B5 170.99,38.1 ; D120.B5 169.37,38.1 ; D120.B5 170.18,37.29 ; D301.B10 330.91,91.44 ; D301.B10 329.49,91.44 ; D301.B10 330.2,92.15 ; D301.B10 330.2,90.73 ; 337.01,53.34 D103.A13 ; D103.A13 337.82,54.15 ; D103.A13 337.82,52.53 ; D103.A13 338.63,53.34 ; UNK3U1.4 98.23,161.85 ; UNK3U1.4 97.29,162.79 ; UNK3U1.4 96.35,161.85 ; UNK3U1.4 97.29,160.91 ; D107.A13 411.48,54.15 ; D107.A13 411.48,52.53 ; D107.A13 410.67,53.34 ; D107.A13 412.29,53.34 ; 265.89,35.56 D124.A14 ; D124.A14 266.7,34.75 ; D124.A14 266.7,36.37 ; D124.A14 267.51,35.56 ; D112.A14 389.43,393.7 ; D112.A14 387.81,393.7 ; D112.A14 388.62,392.89 ; D112.A14 388.62,394.51 ; D106.A6 393.7,77.01 ; D106.A6 394.51,76.2 ; D106.A6 392.89,76.2 ; D317.B3 165.1,89.61 ; D317.B3 165.81,88.9 ; D317.B3 165.1,88.19 ; D317.B3 164.39,88.9 ; D124.A13 264.16,33.83 ; D124.A13 264.97,33.02 ; D124.A13 263.35,33.02 ; D124.A13 264.16,32.21 ; D131.B9 107.49,58.42 ; D131.B9 105.87,58.42 ; D131.B9 106.68,57.61 ; D131.B9 106.68,59.23 ; D317.A4 167.64,87.07 ; D317.A4 166.93,86.36 ; D317.A4 167.64,85.65 ; D317.A4 168.35,86.36 ; 106.68,72.85 D130.A9 ; D130.A9 107.49,73.66 ; D130.A9 105.87,73.66 ; D130.A9 106.68,74.47 ; 199.85,381 D431.B1 ; D431.B1 200.66,380.19 ; D431.B1 201.47,381 ; D431.B1 200.66,381.81 ; 194.77,73.66 D118.A15 ; D118.A15 195.58,74.47 ; D118.A15 196.39,73.66 ; D118.A15 195.58,72.85 ; D132.B13 116.84,38.91 ; D132.B13 116.03,38.1 ; D132.B13 117.65,38.1 ; D132.B13 116.84,37.29 ; 312.42,83.11 D301.A3 ; D301.A3 312.42,84.53 ; D301.A3 313.13,83.82 ; D301.A3 311.71,83.82 ; D322.B16 272.49,71.12 ; D322.B16 271.78,71.83 ; D322.B16 271.78,70.41 ; D322.B16 271.07,71.12 ; 177.8,377.65 D431.B10 ; D431.B10 178.61,378.46 ; D431.B10 177.8,379.27 ; D431.B10 176.99,378.46 ; D131.B12 114.3,61.77 ; D131.B12 113.49,60.96 ; D131.B12 114.3,60.15 ; D131.B12 115.11,60.96 ; CSDPS225.C15 238.76,331.01 ; CSDPS225.C15 239.57,330.2 ; CSDPS225.C15 238.76,329.39 ; CSDPS225.C15 237.95,330.2 ; 164.39,83.82 D317.A3 ; D317.A3 165.1,83.11 ; D317.A3 165.81,83.82 ; D317.A3 165.1,84.53 ; 380.29,63.5 D306.A1 ; D306.A1 381,64.21 ; D306.A1 381.71,63.5 ; D306.B12 409.65,71.12 ; D306.B12 408.94,70.41 ; D306.B12 408.23,71.12 ; D103.B11 332.74,59.23 ; D103.B11 333.55,58.42 ; D103.B11 332.74,57.61 ; D103.B11 331.93,58.42 ; D124.B9 254,38.91 ; D124.B9 253.19,38.1 ; D124.B9 254,37.29 ; D124.B9 254.81,38.1 ; 418.29,60.96 D107.B16 ; D107.B16 419.1,60.15 ; D107.B16 419.91,60.96 ; 317.5,83.11 D301.A5 ; D301.A5 316.79,83.82 ; D301.A5 317.5,84.53 ; D301.A5 318.21,83.82 ; 187.15,35.56 D120.A12 ; D120.A12 187.96,34.75 ; D120.A12 188.77,35.56 ; D120.A12 187.96,36.37 ; 182.88,60.15 D119.B10 ; D119.B10 182.88,61.77 ; D119.B10 183.69,60.96 ; D119.B10 182.07,60.96 ; D301.B12 335.99,91.44 ; D301.B12 334.57,91.44 ; D301.B12 335.28,92.15 ; D301.B12 335.28,90.73 ; 263.35,330.2 CSDPS225.C5 ; CSDPS225.C5 264.97,330.2 ; CSDPS225.C5 264.16,331.01 ; CSDPS225.C5 264.16,329.39 ; 27.94,77.93 D126.B7 ; D126.B7 28.75,78.74 ; D126.B7 27.13,78.74 ; D126.B7 27.94,79.55 ; D302.A13 338.53,63.5 ; D302.A13 337.11,63.5 ; D302.A13 337.82,64.21 ; 316.69,396.24 D116.A13 ; D116.A13 317.5,397.05 ; D116.A13 318.31,396.24 ; D116.A13 317.5,395.43 ; 333.33,240.85 SITE2.G6 ; SITE2.G6 333.81,241.33 ; SITE2.G6 332.85,241.33 ; SITE2.G6 333.33,241.81 ; D124.A7 248.92,33.83 ; D124.A7 248.92,32.21 ; D124.A7 248.11,33.02 ; D124.A7 249.73,33.02 ; SITE4.G3 330.81,181.33 ; SITE4.G3 330.33,180.85 ; SITE4.G3 329.85,181.33 ; SITE4.G3 330.33,181.81 ; 264.16,62.79 D322.A13 ; D322.A13 263.45,63.5 ; D322.A13 264.16,64.21 ; D322.A13 264.87,63.5 ; D102.A8 325.12,77.01 ; D102.A8 325.12,75.39 ; D102.A8 324.31,76.2 ; D102.A8 325.93,76.2 ; 340.36,85.65 D301.A14 ; D301.A14 340.36,87.07 ; D301.A14 341.07,86.36 ; D301.A14 339.65,86.36 ; 320.04,392.89 D116.A12 ; D116.A12 319.23,393.7 ; D116.A12 320.85,393.7 ; D116.A12 320.04,394.51 ; 93.17,40.64 D132.B4 ; D132.B4 94.79,40.64 ; D132.B4 93.98,39.83 ; D132.B4 93.98,41.45 ; D129.B15 121.92,99.87 ; D129.B15 121.92,98.25 ; D129.B15 122.73,99.06 ; D129.B15 121.11,99.06 ; D301.A15 343.61,83.82 ; D301.A15 342.19,83.82 ; D301.A15 342.9,84.53 ; D102.A3 312.42,74.47 ; D102.A3 312.42,72.85 ; D102.A3 313.23,73.66 ; D102.A3 311.61,73.66 ; 248.92,88.19 D321.B7 ; D321.B7 248.92,89.61 ; D321.B7 249.63,88.9 ; D321.B7 248.21,88.9 ; D431.A9 180.34,386.89 ; D431.A9 180.34,385.27 ; D431.A9 179.53,386.08 ; D431.A9 181.15,386.08 ; D107.B1 381.81,58.42 ; D107.B1 381,57.61 ; D107.B1 380.19,58.42 ; D107.B1 381,59.23 ; 344.63,60.96 D103.B16 ; D103.B16 346.25,60.96 ; D103.B16 345.44,60.15 ; 197.31,81.28 D118.B16 ; D118.B16 198.93,81.28 ; D118.B16 198.12,80.47 ; D118.B16 198.12,82.09 ; 337.01,58.42 D103.B13 ; D103.B13 337.82,59.23 ; D103.B13 338.63,58.42 ; D103.B13 337.82,57.61 ; 337.01,350.52 D114.B5 ; D114.B5 337.82,351.33 ; D114.B5 337.82,349.71 ; D114.B5 338.63,350.52 ; 114.3,95.71 D129.A12 ; D129.A12 114.3,97.33 ; D129.A12 115.11,96.52 ; D129.A12 113.49,96.52 ; D318.B16 198.83,71.12 ; D318.B16 198.12,70.41 ; D318.B16 198.12,71.83 ; D318.B16 197.41,71.12 ; D130.B9 106.68,79.55 ; D130.B9 107.49,78.74 ; D130.B9 105.87,78.74 ; D130.B9 106.68,77.93 ; D106.B15 416.56,79.55 ; D106.B15 415.75,78.74 ; D106.B15 417.37,78.74 ; D106.B15 416.56,77.93 ; D112.A6 408.94,394.51 ; D112.A6 408.13,393.7 ; D112.A6 409.75,393.7 ; D112.A6 408.94,392.89 ; CSDPS425.C9 254,341.17 ; CSDPS425.C9 253.19,340.36 ; CSDPS425.C9 254.81,340.36 ; CSDPS425.C9 254,339.55 ; 232.87,78.74 D122.B1 ; D122.B1 233.68,77.93 ; D122.B1 234.49,78.74 ; D122.B1 233.68,79.55 ; D114.B10 325.12,348.79 ; D114.B10 324.31,347.98 ; D114.B10 325.93,347.98 ; D114.B10 325.12,347.17 ; D108.B10 404.67,40.64 ; D108.B10 403.86,39.83 ; D108.B10 403.86,41.45 ; D108.B10 403.05,40.64 ; 195.58,57.61 D119.B15 ; D119.B15 195.58,59.23 ; D119.B15 196.39,58.42 ; D119.B15 194.77,58.42 ; 330.2,39.83 D104.B10 ; D104.B10 330.2,41.45 ; D104.B10 331.01,40.64 ; D104.B10 329.39,40.64 ; 342.19,68.58 D302.B15 ; D302.B15 342.9,67.87 ; D302.B15 343.61,68.58 ; D302.B15 342.9,69.29 ; 14.43,101.6 D125.B2 ; D125.B2 15.24,100.79 ; D125.B2 15.24,102.41 ; D125.B2 16.05,101.6 ; 33.02,93.17 D125.A9 ; D125.A9 32.21,93.98 ; D125.A9 33.02,94.79 ; D125.A9 33.83,93.98 ; 347.98,390.35 D116.B1 ; D116.B1 347.98,391.97 ; D116.B1 348.79,391.16 ; D116.B1 347.17,391.16 ; 329.85,187.93 SITE4.G9 ; SITE4.G9 330.33,187.45 ; SITE4.G9 330.81,187.93 ; SITE4.G9 330.33,188.41 ; 395.43,391.16 D112.B11 ; D112.B11 396.24,390.35 ; D112.B11 396.24,391.97 ; D112.B11 397.05,391.16 ; D102.B7 322.58,79.55 ; D102.B7 322.58,77.93 ; D102.B7 321.77,78.74 ; D102.B7 323.39,78.74 ; 252.85,241.33 SITE1.G6 ; SITE1.G6 253.81,241.33 ; SITE1.G6 253.33,241.81 ; SITE1.G6 253.33,240.85 ; 388.62,372.57 D111.A14 ; D111.A14 387.81,373.38 ; D111.A14 389.43,373.38 ; D111.A14 388.62,374.19 ; UNK4U1.4 483.53,185.11 ; UNK4U1.4 482.59,186.05 ; UNK4U1.4 482.59,184.17 ; UNK4U1.4 481.65,185.11 ; D231.A13 170.99,375.92 ; D231.A13 170.18,375.11 ; D231.A13 169.37,375.92 ; D231.A13 170.18,376.73 ; DPS8.C15 165.91,410.21 ; DPS8.C15 165.1,411.02 ; DPS8.C15 165.1,409.4 ; DPS8.C15 164.29,410.21 ; 169.37,53.34 D119.A5 ; D119.A5 170.18,52.53 ; D119.A5 170.18,54.15 ; D119.A5 170.99,53.34 ; 45.72,39.83 D128.B14 ; D128.B14 46.53,40.64 ; D128.B14 44.91,40.64 ; D128.B14 45.72,41.45 ; D109.A13 391.97,335.28 ; D109.A13 391.16,334.47 ; D109.A13 391.16,336.09 ; D109.A13 390.35,335.28 ; D322.B13 264.87,68.58 ; D322.B13 264.16,69.29 ; D322.B13 263.45,68.58 ; D322.B13 264.16,67.87 ; D110.A12 393.7,353.87 ; D110.A12 394.51,353.06 ; D110.A12 393.7,352.25 ; D110.A12 392.89,353.06 ; D317.A6 172.72,87.07 ; D317.A6 172.72,85.65 ; D317.A6 172.01,86.36 ; D317.A6 173.43,86.36 ; 418.29,35.56 D108.A16 ; D108.A16 419.1,34.75 ; D108.A16 419.91,35.56 ; D108.A16 419.1,36.37 ; SITE1.G18 250.71,246.43 ; SITE1.G18 250.23,246.91 ; SITE1.G18 249.75,246.43 ; SITE1.G18 250.23,245.95 ; 269.24,37.29 D124.B15 ; D124.B15 269.24,38.91 ; D124.B15 268.43,38.1 ; D124.B15 270.05,38.1 ; D103.B12 335.28,61.77 ; D103.B12 334.47,60.96 ; D103.B12 335.28,60.15 ; D103.B12 336.09,60.96 ; 330.2,367.49 D115.B8 ; D115.B8 329.39,368.3 ; D115.B8 330.2,369.11 ; D115.B8 331.01,368.3 ; D127.A12 40.64,56.69 ; D127.A12 41.45,55.88 ; D127.A12 39.83,55.88 ; D127.A12 40.64,55.07 ; D110.A3 416.56,356.41 ; D110.A3 415.75,355.6 ; D110.A3 417.37,355.6 ; D110.A3 416.56,354.79 ; 251.85,187.93 SITE3.G11 ; SITE3.G11 252.33,188.41 ; SITE3.G11 252.81,187.93 ; SITE3.G11 252.33,187.45 ; 113.49,76.2 D130.A12 ; D130.A12 114.3,75.39 ; D130.A12 